# KiCad board poly_kb_wave_right2.kicad_pcb (continued)
## Placement (name value [footprint] x y rotation side) (continued)
kibuzzard-639C34FD  G***  [kibuzzard-639C34FD]  66.97 105.07 180 bottom
kibuzzard-639C35A2  G***  [kibuzzard-639C35A2]  48.05 67.09 180 bottom
kibuzzard-639C35AF  G***  [kibuzzard-639C35AF]  66.84 66.97 180 bottom
kibuzzard-639C35B8  G***  [kibuzzard-639C35B8]  86.27 69.25 180 bottom
kibuzzard-639C35C3  G***  [kibuzzard-639C35C3]  105.19 71.79 180 bottom
kibuzzard-639C35CB  G***  [kibuzzard-639C35CB]  124.37 69.38 180 bottom
kibuzzard-639C35DA  G***  [kibuzzard-639C35DA]  135.93 66.84 180 bottom
kibuzzard-639C35E7  G***  [kibuzzard-639C35E7]  167.3 67.09 180 bottom
kibuzzard-639C35FE  G***  [kibuzzard-639C35FE]  24.04 36.99 180 bottom
kibuzzard-639C36A9  G***  [kibuzzard-639C36A9]  143.8 28.87 180 bottom
kibuzzard-639C36B3  G***  [kibuzzard-639C36B3]  162.85 28.99 180 bottom
kibuzzard-639C39A5  G***  [kibuzzard-639C39A5]  178.41 43.56 163 bottom
kibuzzard-639C294B  G***  [kibuzzard-639C294B]  16 91.8 163 bottom
kibuzzard-639C352E  G***  [kibuzzard-639C352E]  142.79 105.19 180 bottom
kibuzzard-639C353A  G***  [kibuzzard-639C353A]  166.79 105.07 180 bottom
kibuzzard-639C355D  G***  [kibuzzard-639C355D]  86.02 88.56 180 bottom
kibuzzard-639C357F  G***  [kibuzzard-639C357F]  124.25 88.43 180 bottom
kibuzzard-639C358A  G***  [kibuzzard-639C358A]  142.91 86.14 180 bottom
kibuzzard-639C360B  G***  [kibuzzard-639C360B]  47.41 43.47 180 bottom
kibuzzard-639C361C  G***  [kibuzzard-639C361C]  67.09 48.04 180 bottom
kibuzzard-639C362D  G***  [kibuzzard-639C362D]  105.19 52.61 180 bottom
kibuzzard-639C368F  G***  [kibuzzard-639C368F]  105.32 33.56 180 bottom
kibuzzard-639C369E  G***  [kibuzzard-639C369E]  124.5 31.28 180 bottom
kibuzzard-639C2997  G***  [kibuzzard-639C2997]  178.09 64.05 163 bottom
kibuzzard-639C3508  G***  [kibuzzard-639C3508]  86.02 107.48 180 bottom
kibuzzard-639C3514  G***  [kibuzzard-639C3514]  104.81 109.89 180 bottom
kibuzzard-639C3522  G***  [kibuzzard-639C3522]  123.86 107.48 180 bottom
kibuzzard-639C3548  G***  [kibuzzard-639C3548]  47.92 86.14 180 bottom
kibuzzard-639C3550  G***  [kibuzzard-639C3550]  66.97 86.02 180 bottom
kibuzzard-639C3575  G***  [kibuzzard-639C3575]  105.19 90.72 180 bottom
kibuzzard-639C3594  G***  [kibuzzard-639C3594]  166.92 86.14 180 bottom
kibuzzard-639C3625  G***  [kibuzzard-639C3625]  86.02 50.46 180 bottom
kibuzzard-639C3638  G***  [kibuzzard-639C3638]  124.37 50.46 180 bottom
kibuzzard-639C3642  G***  [kibuzzard-639C3642]  135.68 47.92 180 bottom
kibuzzard-639C3653  G***  [kibuzzard-639C3653]  167.04 48.04 180 bottom
kibuzzard-639C3683  G***  [kibuzzard-639C3683]  75.35 24.55 180 bottom
kibuzzard-639C3695  G***  [kibuzzard-639C3695]  53.12 21.63 180 bottom
L1  4.7uH  [MCS0530-4R7MN2]  10.58 103.41 270 bottom
L2  4.7uH  [MCS0530-4R7MN2]  10.45 112.94 270 bottom
LED1  WS2812B-Mini  [WS2812B-Mini-Rev2]  43.85 116.1 0 top
LED2  WS2812B-Mini  [WS2812B-Mini-Rev2]  62.9 116.1 0 top
LED3  WS2812B-Mini  [WS2812B-Mini-Rev2]  81.95 118.49 0 top
LED4  WS2812B-Mini  [WS2812B-Mini-Rev2]  101 120.87 0 top
LED5  WS2812B-Mini  [WS2812B-Mini-Rev2]  120.05 118.49 0 top
LED6  WS2812B-Mini  [WS2812B-Mini-Rev2]  139.1 116.1 0 top
LED7  WS2812B-Mini  [WS2812B-Mini-Rev2]  162.92 116.43 0 top
LED8  WS2812B-Mini  [WS2812B-Mini-Rev2]  43.85 97.05 0 top
LED9  WS2812B-Mini  [WS2812B-Mini-Rev2]  62.9 97.05 0 top
LED10  WS2812B-Mini  [WS2812B-Mini-Rev2]  81.95 99.44 0 top
LED11  WS2812B-Mini  [WS2812B-Mini-Rev2]  101 101.82 0 top
LED12  WS2812B-Mini  [WS2812B-Mini-Rev2]  120.05 99.44 0 top
LED13  WS2812B-Mini  [WS2812B-Mini-Rev2]  139.1 97.05 0 top
LED14  WS2812B-Mini  [WS2812B-Mini-Rev2]  162.92 97.05 0 top
LED15  WS2812B-Mini  [WS2812B-Mini-Rev2]  43.85 78 0 top
LED16  WS2812B-Mini  [WS2812B-Mini-Rev2]  62.9 78 0 top
LED17  WS2812B-Mini  [WS2812B-Mini-Rev2]  81.95 80.39 0 top
LED18  WS2812B-Mini  [WS2812B-Mini-Rev2]  101 82.77 0 top
LED19  WS2812B-Mini  [WS2812B-Mini-Rev2]  120.05 80.39 0 top
LED20  WS2812B-Mini  [WS2812B-Mini-Rev2]  139.1 78 0 top
LED21  WS2812B-Mini  [WS2812B-Mini-Rev2]  162.92 78 0 top
LED22  WS2812B-Mini  [WS2812B-Mini-Rev2]  40.52 53.05 13.5 top
LED23  WS2812B-Mini  [WS2812B-Mini-Rev2]  62.9 58.95 0 top
LED24  WS2812B-Mini  [WS2812B-Mini-Rev2]  81.95 61.34 0 top
LED25  WS2812B-Mini  [WS2812B-Mini-Rev2]  101 63.72 0 top
LED26  WS2812B-Mini  [WS2812B-Mini-Rev2]  120.05 61.34 0 top
LED27  WS2812B-Mini  [WS2812B-Mini-Rev2]  139.1 58.95 0 top
LED28  WS2812B-Mini  [WS2812B-Mini-Rev2]  162.92 58.95 0 top
LED29  WS2812B-Mini  [WS2812B-Mini-Rev2]  16.15 45.76 20 top
LED30  WS2812B-Mini  [WS2812B-Mini-Rev2]  24.26 25.1 20 top
LED31  WS2812B-Mini  [WS2812B-Mini-Rev2]  46.19 31.34 13.5 top
LED32  WS2812B-Mini  [WS2812B-Mini-Rev2]  69.94 35.03 5 top
LED33  WS2812B-Mini  [WS2812B-Mini-Rev2]  101 44.67 0 top
LED34  WS2812B-Mini  [WS2812B-Mini-Rev2]  120.05 42.29 0 top
LED35  WS2812B-Mini  [WS2812B-Mini-Rev2]  139.1 39.9 0 top
LED36  WS2812B-Mini  [WS2812B-Mini-Rev2]  158.15 39.9 0 top
R1  22 0603  [R_0603_1608Metric]  31.03 120.18 90 bottom
R1_1  10k 0402  [R_0402_1005Metric]  51.54 114.9 90 bottom
R1_2  10k 0402  [R_0402_1005Metric]  70.59 114.9 90 bottom
R1_3  10k 0402  [R_0402_1005Metric]  90.72 116.11 90 bottom
R1_4  10k 0402  [R_0402_1005Metric]  108.69 119.66 90 bottom
R1_5  10k 0402  [R_0402_1005Metric]  127.74 117.28 90 bottom
R1_6  10k 0402  [R_0402_1005Metric]  146.79 114.9 90 bottom
R1_7  10k 0402  [R_0402_1005Metric]  170.6 115.23 90 bottom
R1_8  10k 0402  [R_0402_1005Metric]  51.54 95.85 90 bottom
R1_9  10k 0402  [R_0402_1005Metric]  70.59 95.85 90 bottom
R1_10  10k 0402  [R_0402_1005Metric]  89.64 98.23 90 bottom
R1_11  10k 0402  [R_0402_1005Metric]  108.69 100.61 90 bottom
R1_12  10k 0402  [R_0402_1005Metric]  127.74 98.23 90 bottom
R1_13  10k 0402  [R_0402_1005Metric]  146.79 95.85 90 bottom
R1_14  10k 0402  [R_0402_1005Metric]  170.6 95.85 90 bottom
R1_15  10k 0402  [R_0402_1005Metric]  51.54 76.8 90 bottom
R1_16  10k 0402  [R_0402_1005Metric]  70.59 76.8 90 bottom
R1_17  10k 0402  [R_0402_1005Metric]  89.64 79.18 90 bottom
R1_18  10k 0402  [R_0402_1005Metric]  108.69 81.56 90 bottom
R1_19  10k 0402  [R_0402_1005Metric]  127.74 79.18 90 bottom
R1_20  10k 0402  [R_0402_1005Metric]  143.55 67.09 0 bottom
R1_21  10k 0402  [R_0402_1005Metric]  170.6 76.8 90 bottom
R1_22  10k 0402  [R_0402_1005Metric]  48.27 53.67 103.5 bottom
R1_23  10k 0402  [R_0402_1005Metric]  70.59 57.75 90 bottom
R1_24  10k 0402  [R_0402_1005Metric]  89.64 60.13 90 bottom
R1_25  10k 0402  [R_0402_1005Metric]  108.69 62.51 90 bottom
R1_26  10k 0402  [R_0402_1005Metric]  127.74 60.13 90 bottom
R1_27  10k 0402  [R_0402_1005Metric]  146.79 57.75 90 bottom
R1_28  10k 0402  [R_0402_1005Metric]  170.6 57.75 90 bottom
R1_29  10k 0402  [R_0402_1005Metric]  23.78 47.25 110 bottom
R1_30  10k 0402  [R_0402_1005Metric]  31.89 26.59 110 bottom
R1_31  10k 0402  [R_0402_1005Metric]  53.95 31.96 103.5 bottom
R1_32  10k 0402  [R_0402_1005Metric]  77.7 34.5 95 bottom
R1_33  10k 0402  [R_0402_1005Metric]  108.69 43.46 90 bottom
R1_34  10k 0402  [R_0402_1005Metric]  127.74 41.08 90 bottom
R1_35  10k 0402  [R_0402_1005Metric]  146.79 38.7 90 bottom
R1_36  10k 0402  [R_0402_1005Metric]  165.84 38.7 90 bottom
R2  22 0603  [R_0603_1608Metric]  32.63 120.18 90 bottom
R3  5.1K 0402  [R_0402_1005Metric]  16.93 85.38 90 bottom
R4  5.1K 0402  [R_0402_1005Metric]  18.07 85.38 90 bottom
R5  1k 0603  [R_0603_1608Metric]  5.35 82.5 270 bottom
R6  1k 0603  [R_0603_1608Metric]  4.61 102.53 270 top
R7  5.1K 0402  [R_0402_1005Metric]  18.9 121.85 0 top
R8  5.6K 0402  [R_0402_1005Metric]  16.9 108.7 270 bottom
R9  5.1K 0402  [R_0402_1005Metric]  23.6 121.85 180 top
R10  390k 0603  [R_0603_1608Metric]  8.55 99.73 180 top
R11  390k 0603  [R_0603_1608Metric]  11.6 101.26 180 top
R12  150k 0603  [R_0603_1608Metric]  6.9 103.29 0 top
R13  22k 0603  [R_0603_1608Metric]  9.31 95.03 0 bottom
R14  680k 0603  [R_0603_1608Metric]  10.25 111.35 270 top
R15  10K 0402  [R_0402_1005Metric]  17.8 111 90 bottom
R16  1k 0603  [R_0603_1608Metric]  11.34 121.58 270 top
R17  150k 0603  [R_0603_1608Metric]  13.25 111.35 270 top
R18  10M 0603  [R_0603_1608Metric]  5.42 112.81 180 bottom
R19  1k 0603  [R_0603_1608Metric]  21.24 95.14 90 bottom
R20  10K 0402  [R_0402_1005Metric]  32.15 110.7 270 bottom
R21  1K 0402  [R_0402_1005Metric]  33.2 110.7 90 bottom
R22  27 0603  [R_0603_1608Metric]  21.25 110.98 270 bottom
R23  27 0603  [R_0603_1608Metric]  19.75 110.98 270 bottom
R24  2M2 0603  [R_0603_1608Metric]  5.37 114.72 0 bottom
R25  5.1K 0402  [R_0402_1005Metric]  9.61 96.85 0 bottom
R30  390k 0603 1%  [R_0603_1608Metric]  24.8 85.13 270 bottom
SW1  RotaryEncoder_Switch  [PolyJog]  20.24 62.69 290 top
SW2  EVQPUC02K  [Panasonic_EVQPUL_EVQPUC]  179.78 76.41 90 bottom
SW3  EVQPUC02K  [Panasonic_EVQPUL_EVQPUC]  179.78 84.21 90 bottom
SW_K_1  Kailh CPG151101S11-16  [Kailh_socket_MX_Indicators]  43.85 107.21 0 top
SW_K_2  Kailh CPG151101S11-16  [Kailh_socket_MX_Indicators]  62.9 107.21 0 top
SW_K_3  Kailh CPG151101S11-16  [Kailh_socket_MX_Indicators]  81.95 109.6 0 top
SW_K_4  Kailh CPG151101S11-16  [Kailh_socket_MX_Indicators]  101 111.98 0 top
SW_K_5  Kailh CPG151101S11-16  [Kailh_socket_MX_Indicators]  120.05 109.6 0 top
SW_K_6  Kailh CPG151101S11-16  [Kailh_socket_MX_Indicators]  139.1 107.21 0 top
SW_K_7  Kailh CPG151101S11-16  [Kailh_socket_MX_Indicators]  162.92 107.54 0 top
SW_K_8  Kailh CPG151101S11-16  [Kailh_socket_MX_Indicators]  43.85 88.16 0 top
SW_K_9  Kailh CPG151101S11-16  [Kailh_socket_MX_Indicators]  62.9 88.16 0 top
SW_K_10  Kailh CPG151101S11-16  [Kailh_socket_MX_Indicators]  81.95 90.55 0 top
SW_K_11  Kailh CPG151101S11-16  [Kailh_socket_MX_Indicators]  101 92.93 0 top
SW_K_12  Kailh CPG151101S11-16  [Kailh_socket_MX_Indicators]  120.05 90.55 0 top
SW_K_13  Kailh CPG151101S11-16  [Kailh_socket_MX_Indicators]  139.1 88.16 0 top
SW_K_14  Kailh CPG151101S11-16  [Kailh_socket_MX_Indicators]  162.92 88.16 0 top
SW_K_15  Kailh CPG151101S11-16  [Kailh_socket_MX_Indicators]  43.85 69.11 0 top
SW_K_16  Kailh CPG151101S11-16  [Kailh_socket_MX_Indicators]  62.9 69.11 0 top
SW_K_17  Kailh CPG151101S11-16  [Kailh_socket_MX_Indicators]  81.95 71.5 0 top
SW_K_18  Kailh CPG151101S11-16  [Kailh_socket_MX_Indicators]  101 73.88 0 top
SW_K_19  Kailh CPG151101S11-16  [Kailh_socket_MX_Indicators]  120.05 71.5 0 top
SW_K_20  Kailh CPG151101S11-16  [Kailh_socket_MX_Indicators]  139.1 69.11 0 top
SW_K_21  Kailh CPG151101S11-16  [Kailh_socket_MX_Indicators]  162.92 69.11 0 top
SW_K_22  Kailh CPG151101S11-16  [Kailh_socket_MX_Indicators]  42.6 44.41 13.5 top
SW_K_23  Kailh CPG151101S11-16  [Kailh_socket_MX_Indicators]  62.9 50.06 0 top
SW_K_24  Kailh CPG151101S11-16  [Kailh_socket_MX_Indicators]  81.95 52.45 0 top
SW_K_25  Kailh CPG151101S11-16  [Kailh_socket_MX_Indicators]  101 54.83 0 top
SW_K_26  Kailh CPG151101S11-16  [Kailh_socket_MX_Indicators]  120.05 52.45 0 top
SW_K_27  Kailh CPG151101S11-16  [Kailh_socket_MX_Indicators]  139.1 50.06 0 top
SW_K_28  Kailh CPG151101S11-16  [Kailh_socket_MX_Indicators]  162.92 50.06 0 top
SW_K_29  Kailh CPG151101S11-16  [Kailh_socket_MX_Indicators]  19.19 37.4 20 top
SW_K_30  Kailh CPG151101S11-16  [Kailh_socket_MX_Indicators]  27.3 16.75 20 top
SW_K_31  Kailh CPG151101S11-16  [Kailh_socket_MX_Indicators]  48.27 22.7 13.5 top
SW_K_32  Kailh CPG151101S11-16  [Kailh_socket_MX_Indicators]  70.71 26.18 5 top
SW_K_33  Kailh CPG151101S11-16  [Kailh_socket_MX_Indicators]  101 35.78 0 top
SW_K_34  Kailh CPG151101S11-16  [Kailh_socket_MX_Indicators]  120.05 33.4 0 top
SW_K_35  Kailh CPG151101S11-16  [Kailh_socket_MX_Indicators]  139.1 31.01 0 top
SW_K_36  Kailh CPG151101S11-16  [Kailh_socket_MX_Indicators]  158.15 31.01 0 top
TP1  USB_D-  [TestPoint_Pad_D1.5mm]  18.94 113.78 180 bottom
TP14  USB_D+  [TestPoint_Pad_D1.5mm]  23.15 113.78 180 bottom
U1  TD6811  [TSOT-23-5]  10.58 115.1 180 top
U2  TD6811  [TSOT-23-5]  10.58 104.18 180 top
U3  MT9700  [SOT-23-5]  7.28 94.91 90 top
U4  74HC595BQ  [Nexperia 74HC595BQ DHVQFN16]  150.11 103.21 0 bottom
U5  74HC595BQ  [Nexperia 74HC595BQ DHVQFN16]  150.16 86.95 0 bottom
U6  74HC595BQ  [Nexperia 74HC595BQ DHVQFN16]  150.1 66.2 0 bottom
U7  74HC595BQ  [Nexperia 74HC595BQ DHVQFN16]  101.9 22.96 270 bottom
U8  74HC595BQ  [Nexperia 74HC595BQ DHVQFN16]  90.6 23 270 bottom
U9  W25Q64JVXGIQ  [SON80P400X400X50-9N]  28 111.45 135 bottom
U10  RP2040  [RP2040-QFN-56]  21.75 104.28 180 bottom
U11  TPD4E05U06DQAR  [USON-10]  21.04 116.11 90 bottom
U12  SN74LVC1G126DBVR  [SOT-353_SC-70-5]  69.38 121.32 180 bottom
U13  SN74LVC1G126DBVR  [SOT-353_SC-70-5]  56.55 121.32 180 bottom
U14  SN74LVC1G126DBVR  [SOT-353_SC-70-5]  50.33 121.32 180 bottom
U15  SN74LVC1G126DBVR  [SOT-353_SC-70-5]  37.38 121.32 180 bottom
U16  SN74LVC1G126DBVR  [SOT-353_SC-70-5]  75.6 124.24 180 bottom
U17  SN74LVC1G126DBVR  [SOT-353_SC-70-5]  72.3 124.24 180 bottom
U18  SN74LVC1G126DBVR  [SOT-353_SC-70-5]  109.64 125.26 180 bottom
U19  SN74LVC1G126DBVR  [SOT-353_SC-70-5]  90.46 119.29 0 bottom
U20  SN74LVC1G126DBVR  [SOT-353_SC-70-5]  126.53 123.73 180 bottom
U21  SN74LVC1G126DBVR  [SOT-353_SC-70-5]  113.7 123.73 180 bottom
U22  SN74LVC1G126DBVR  [SOT-353_SC-70-5]  145.45 121.7 180 bottom
U23  SN74LVC1G126DBVR  [SOT-353_SC-70-5]  132.75 121.7 180 bottom
U24  SN74LVC1G126DBVR  [SOT-353_SC-70-5]  153.33 121.32 180 bottom
U25  SN74LVC1G126DBVR  [SOT-353_SC-70-5]  156.63 121.32 180 bottom
USB1  TYPE-C-31-M-12  [HRO-TYPE-C-31-M-12-Assembly]  21 127.14 0 bottom
USB2  TYPE-C-31-M-12  [HRO-TYPE-C-31-M-12-Assembly]  -0.95 72.05 90 bottom
Y1  TAXM12M4RFBCCT2T  [Crystal_SMD_3225-4Pin_3.2x2.5mm]  24.2 94.91 0 bottom

## Library data of the parts
C1_1-C1_36 = -: Description: Unpolarized capacitor, small symbol; MPN: C99227
C2 C3_1-C3_36 C5_1-C5_36 C6_1-C6_36 C24 C25 C30-C32 = -: Description: Unpolarized capacitor, small symbol; MPN: C52923
C2_1-C2_36 = -: Description: Unpolarized capacitor, small symbol; MPN: C23630
C3 C8 = -: Description: Unpolarized capacitor, small symbol; MPN: C1557
C4 C6 C10 C12-C14 C26 = -: Description: Unpolarized capacitor, small symbol; MPN: C15850
C4_1-C4_36 C33 C34 = -: Description: Polarized capacitor, small symbol; MPN: C129569
C5 C11 = -: Description: Unpolarized capacitor, small symbol; MPN: C1653
C9 C15-C23 = -: Description: Unpolarized capacitor, small symbol; MPN: C1525
D1 = -: Description: Light emitting diode, small symbol; MPN: C84256
D1_1-D1_36 D12 = -: Description: Diode, small symbol; MPN: C2128
D2 = -: Description: 200W unidirectional Transil Transient Voltage Suppressor, 6Vrwm, SMF; MPN: C502546
D5 = -: Description: Light emitting diode, small symbol; MPN: C2297
D6 = -: Description: Light emitting diode, small symbol; MPN: C2296
DBG1 = -: Description: Generic connector, single row, 01x03, script generated (kicad-library-utils/schlib/autogen/connector/)
DBG3 = -: Description: Generic connector, single row, 01x10, script generated (kicad-library-utils/schlib/autogen/connector/)
F1 = -: Description: Fuse; MPN: C207081
FB1 FB2 = -: Description: Ferrite bead, small symbol; MPN: C1017
H1-H9 = -: Description: Mounting Hole with connection
J1-J36 = -: Description: Generic connector, single row, 01x14, script generated (kicad-library-utils/schlib/autogen/connector/); MPN: C324724
J37 = -: Description: Generic connector, single row, 01x12, script generated (kicad-library-utils/schlib/autogen/connector/); MPN: C424659
J38 = -: Description: Generic connector, single row, 01x05, script generated (kicad-library-utils/schlib/autogen/connector/)
J39 = -: Description: Generic connector, single row, 01x30, script generated (kicad-library-utils/schlib/autogen/connector/); MPN: C506793
JP1 = -: Description: 3-pole Solder Jumper, pins 1+2 closed/bridged
L1 L2 = -: Description: Inductor; MPN: C2836880
LED1-LED36 = -: Description: RGB LED with integrated controller; MPN: C527089
R1 R2 = -: Description: Resistor, small symbol; MPN: C23345
R1_1-R1_36 = -: Description: Resistor, small symbol; MPN: C25744
R3 R4 R7 R9 R25 = -: Description: Resistor, small symbol; MPN: C25905
R5 R6 R16 R19 = -: Description: Resistor, small symbol; MPN: C21190
R8 = -: Description: Resistor; MPN: C25908
R10 R11 R30 = -: Description: Resistor, small symbol; MPN: C23150
R12 R17 = -: Description: Resistor, small symbol; MPN: C22807
R13 = -: Description: Resistor, small symbol; MPN: C31850
R14 = -: Description: Resistor, small symbol; MPN: C25822
R15 R20 = -: Description: Resistor; MPN: C25744
R18 = -: Description: Resistor, small symbol; MPN: C7250
R21 = -: Description: Resistor; MPN: C11702
R22 R23 = -: Description: Resistor, small symbol; MPN: C25190
R24 = -: Description: Resistor, small symbol; MPN: C22938
SW1 = -: Description: Rotary encoder, dual channel, incremental quadrate outputs, with switch
SW2 SW3 = -: Description: Push button switch, generic, two pins; MPN: C79174
SW_K_1-SW_K_36 = -: Description: Push button switch, generic, two pins; Etc: C5156480
TP1 TP14 = -: Description: test point (alternative flag-style design)
U1 U2 = -: MPN: C189486
U3 = -: MPN: C89855
U4-U8 = -: Description: 8-bit serial in/out Shift Register 3-State Outputs; MPN: C3303719
U9 = -: Description: 64M-bit Serial Flash Memory with uniform 4KB sectors and Dual/Quad SPI; MPN: C2940195
U10 = -: MPN: C2040
U11 = -: MPN: C2836386
U12-U25 = -: Description: 1-Bit Unidirectional Voltage-Level Translator, SC-70; MPN: C151890
USB1 USB2 = -: MPN: C165948
Y1 = -: Description: Four pin crystal, GND on pins 2 and 4; MPN: C133337

## Footprints (pads in the part's own frame, mm; a bottom-side part is the same pattern mirrored in y, then rotated)
C_0402_1005Metric
  rrect 0.56x0.62 smd: 1(-0.48,0) 2(0.48,0)
C_0603_1608Metric
  rrect 0.9x0.95 smd: 1(-0.775,0) 2(0.775,0)
C_0805_2012Metric
  rrect 1x1.45 smd: 1(-0.95,0) 2(0.95,0)
CP_EIA-3216-18_Kemet-A
  rrect 1.4x1.35 smd: 1(-1.35,0) 2(1.35,0)
Crystal_SMD_3225-4Pin_3.2x2.5mm
  rect 1.4x1.2 smd: 1(-1.1,-0.85) 2(1.1,-0.85) 3(1.1,0.85) 4(-1.1,0.85)
D_SOD-323Ext
  rect 0.8x0.6 smd: 1(-1.05,0) 2(1.05,0)
D_SOD-523
  rect 0.6x0.7 smd: 1(-0.7,0) 2(0.7,0)
FH34SRJ12S05SH50-Rev2
  rect 0.3x0.8 smd: 1(-2.75,1.525) 2(-2.25,1.525) 3(-1.75,1.525) 4(-1.25,1.525) 5(-0.75,1.525) 6(-0.25,1.525) 7(0.25,1.525) 8(0.75,1.525) 9(1.25,1.525) 10(1.75,1.525) 11(2.25,1.525) 12(2.75,1.525)
  rect 0.4x0.8 smd: MP1(-3.75,-0.975) MP2(3.75,-0.975)
FH34SRJ14S05SH50-Rev2
  rect 0.3x0.8 smd: 1(-3.25,1.525) 2(-2.75,1.525) 3(-2.25,1.525) 4(-1.75,1.525) 5(-1.25,1.525) 6(-0.75,1.525) 7(-0.25,1.525) 8(0.25,1.525) 9(0.75,1.525) 10(1.25,1.525) 11(1.75,1.525) 12(2.25,1.525) 13(2.75,1.525) 14(3.25,1.525)
  rect 0.4x0.8 smd: MP1(4.25,-0.975) MP2(-4.25,-0.975)
FH34SRJ14S05SH50-Rev2#2
  rect 0.3x0.8 smd: 1(-3.25,1.525) 2(-2.75,1.525) 3(-2.25,1.525) 4(-1.75,1.525) 5(-1.25,1.525) 6(-0.75,1.525) 7(-0.25,1.525) 8(0.25,1.525) 9(0.75,1.525) 10(1.25,1.525) 11(1.75,1.525) 12(2.25,1.525) 13(2.75,1.525) 14(3.25,1.525)
  rect 0.4x0.8 smd: MP1(4.25,-0.975) MP2(-4.25,-0.975)
FH34SRJ14S05SH50-Rev2#3
  rect 0.3x0.8 smd: 1(-3.25,1.525) 2(-2.75,1.525) 3(-2.25,1.525) 4(-1.75,1.525) 5(-1.25,1.525) 6(-0.75,1.525) 7(-0.25,1.525) 8(0.25,1.525) 9(0.75,1.525) 10(1.25,1.525) 11(1.75,1.525) 12(2.25,1.525) 13(2.75,1.525) 14(3.25,1.525)
  rect 0.4x0.8 smd: MP1(4.25,-0.975) MP2(-4.25,-0.975)
Fuse_2920_7451Metric
  rrect 1.925x5.45 smd: 1(-3.388,0) 2(3.388,0)
Hirose_FH12-30S-0.5SH_1x30-1MP_P0.50mm_Horizontal
  rect 0.3x1.3 smd: 1(-7.25,1.85) 2(-6.75,1.85) 3(-6.25,1.85) 4(-5.75,1.85) 5(-5.25,1.85) 6(-4.75,1.85) 7(-4.25,1.85) 8(-3.75,1.85) 9(-3.25,1.85) 10(-2.75,1.85) 11(-2.25,1.85) 12(-1.75,1.85) 13(-1.25,1.85) 14(-0.75,1.85) 15(-0.25,1.85) 16(0.25,1.85) 17(0.75,1.85) 18(1.25,1.85) 19(1.75,1.85) 20(2.25,1.85) 21(2.75,1.85) 22(3.25,1.85) 23(3.75,1.85) 24(4.25,1.85) 25(4.75,1.85) 26(5.25,1.85) 27(5.75,1.85) 28(6.25,1.85) 29(6.75,1.85) 30(7.25,1.85)
  rect 1.8x2.2 smd: MP(-9.15,-1.4) MP(9.15,-1.4)
HRO-TYPE-C-31-M-12-Assembly
  round 0.65 hole 0.65 unplated: (-2.89,6.25) (2.89,6.25)
  rect 0.6x1.45 smd: 1(-3.225,7.695) 2(-2.45,7.695) 11(2.45,7.695) 12(3.225,7.695)
  rect 0.3x1.45 smd: 3(-1.75,7.695) 4(-1.25,7.695) 5(-0.75,7.695) 6(-0.25,7.695) 7(0.25,7.695) 8(0.75,7.695) 9(1.25,7.695) 10(1.75,7.695)
  oval 1x1.6 hole 0.6x1.2: 13(-4.32,2.6) 13(4.32,2.6)
  oval 1x2.1 hole 0.6x1.7: 13(-4.32,6.78) 13(4.32,6.78)
Kailh_socket_MX_Indicators
  round 1.702 hole 1.702 unplated: (-5.08,0) (5.08,0)
  round 3 hole 3 unplated: (-3.81,2.54) (2.54,5.08)
  round 3.988 hole 3.988 unplated: (0,0)
  rect 2.55x2.5 smd far side: 1(6.29,5.08) 2(-7.56,2.54)
L_0805_2012Metric
  rrect 0.875x1.2 smd: 1(-1.062,0) 2(1.062,0)
LED_0805_2012Metric
  rrect 0.975x1.4 smd: 1(-0.938,0) 2(0.938,0)
MCS0530-4R7MN2
  rect 1.4x2.5 smd: 1(-2.4,0) 2(2.4,0)
MountingHole_3mm_Pad_Via
  round 0.8 hole 0.5: 1(-2.25,0) 1(-1.591,-1.591) 1(-1.591,1.591) 1(0,-2.25) 1(0,2.25) 1(1.591,-1.591) 1(1.591,1.591) 1(2.25,0)
  round 6 hole 3: 1(0,0)
Nexperia 74HC595BQ DHVQFN16
  rect 0.254x0.5 smd: 1(-0.25,1.562) 8(-0.25,-1.562) 9(0.25,-1.562) 16(0.25,1.562)
  rect 0.5x0.254 smd: 2(-1.062,1.25) 3(-1.062,0.75) 4(-1.062,0.25) 5(-1.062,-0.25) 6(-1.062,-0.75) 7(-1.062,-1.25) 10(1.062,-1.25) 11(1.062,-0.75) 12(1.062,-0.25) 13(1.062,0.25) 14(1.062,0.75) 15(1.062,1.25)
  rect 1x2 smd: 17(0,0)
Panasonic_EVQPUL_EVQPUC
  round 0.75 hole 0.75 unplated: (0,-1.375) (0,1.375)
  rect 1.55x1 smd: 1(-2.625,0.85) 1(2.625,0.85) 2(-2.625,-0.85) 2(2.625,-0.85)
PinHeader_1x03_P2.54mm_Vertical
  rect 1.7x1.7 hole 1: 1(0,0)
  oval 1.7x1.7 hole 1: 2(0,-2.54) 3(0,-5.08)
PinHeader_1x05_P2.54mm_Vertical
  rect 1.7x1.7 hole 1: 1(0,0)
  oval 1.7x1.7 hole 1: 2(0,-2.54) 3(0,-5.08) 4(0,-7.62) 5(0,-10.16)
PinHeader_1x10_P2.54mm_Vertical
  rect 1.7x1.7 hole 1: 1(0,0)
  oval 1.7x1.7 hole 1: 2(0,-2.54) 3(0,-5.08) 4(0,-7.62) 5(0,-10.16) 6(0,-12.7) 7(0,-15.24) 8(0,-17.78) 9(0,-20.32) 10(0,-22.86)
PolyJog
  oval 2.4x3.6 hole 1.5x2.8 unplated: (-6.725,-2.188) (4.475,-2.188)
  round 1.6 hole 1.6 unplated: (-6.21,5.85)
  round 2 hole 1: A(-3.67,5.85) A(3.95,5.85) B(1.41,5.85) C(-1.13,5.85) S1(-3.658,-9.703) S2(1.342,-9.703)
  round 1.524 hole 0.762: S1(6.95,7.5)
  oval 1.524x1.524 hole 0.762: S2(6.95,5.5)
R_0402_1005Metric
  rrect 0.54x0.64 smd: 1(-0.51,0) 2(0.51,0)
R_0603_1608Metric
  rrect 0.8x0.95 smd: 1(-0.825,0) 2(0.825,0)
RP2040-QFN-56
  rrect 1.084x1.084 smd: (-0.637,-0.637) (-0.637,0.637) (0.637,-0.637) (0.637,0.637)
  rrect 0.875x0.2 smd: 1(-3.438,2.6) 2(-3.438,2.2) 3(-3.438,1.8) 4(-3.438,1.4) 5(-3.438,1) 6(-3.438,0.6) 7(-3.438,0.2) 8(-3.438,-0.2) 9(-3.438,-0.6) 10(-3.438,-1) 11(-3.438,-1.4) 12(-3.438,-1.8) 13(-3.438,-2.2) 14(-3.438,-2.6) 29(3.438,-2.6) 30(3.438,-2.2) 31(3.438,-1.8) 32(3.438,-1.4) 33(3.438,-1) 34(3.438,-0.6) 35(3.438,-0.2) 36(3.438,0.2) 37(3.438,0.6) 38(3.438,1) 39(3.438,1.4) 40(3.438,1.8) 41(3.438,2.2) 42(3.438,2.6)
  rrect 0.2x0.875 smd: 15(-2.6,-3.438) 16(-2.2,-3.438) 17(-1.8,-3.438) 18(-1.4,-3.438) 19(-1,-3.438) 20(-0.6,-3.438) 21(-0.2,-3.438) 22(0.2,-3.438) 23(0.6,-3.438) 24(1,-3.438) 25(1.4,-3.438) 26(1.8,-3.438) 27(2.2,-3.438) 28(2.6,-3.438) 43(2.6,3.438) 44(2.2,3.438) 45(1.8,3.438) 46(1.4,3.438) 47(1,3.438) 48(0.6,3.438) 49(0.2,3.438) 50(-0.2,3.438) 51(-0.6,3.438) 52(-1,3.438) 53(-1.4,3.438) 54(-1.8,3.438) 55(-2.2,3.438) 56(-2.6,3.438)
  round 0.6 hole 0.35: 57(-1.275,-1.275) 57(-1.275,0) 57(-1.275,1.275) 57(0,-1.275) 57(0,0) 57(0,1.275) 57(1.275,-1.275) 57(1.275,0) 57(1.275,1.275)
  rrect 3.2x3.2 smd: 57(0,0)
SolderJumper-3_P1.3mm_Bridged12_RoundedPad1.0x1.5mm
  custom 1.05x1.5 smd: 1(-1.3,0) 3(1.3,0)
  rect 1x1.5 smd: 2(0,0)
SON80P400X400X50-9N
  rect 0.85x0.35 smd: 1(-1.95,1.2) 2(-1.95,0.4) 3(-1.95,-0.4) 4(-1.95,-1.2) 5(1.95,-1.2) 6(1.95,-0.4) 7(1.95,0.4) 8(1.95,1.2)
  rect 2.4x3.1 smd: 9(0,0)
SOT-23-5
  rrect 1.325x0.6 smd: 1(-1.137,0.95) 2(-1.137,0) 3(-1.137,-0.95) 4(1.137,-0.95) 5(1.137,0.95)
SOT-353_SC-70-5
  rect 0.65x0.4 smd: 1(-0.95,0.65) 2(-0.95,0) 3(-0.95,-0.65) 4(0.95,-0.65) 5(0.95,0.65)
TestPoint_Pad_D1.5mm
  round 1.5 smd: 1(0,0)
TSOT-23-5
  rrect 1.325x0.6 smd: 1(-1.137,0.95) 2(-1.137,0) 3(-1.137,-0.95) 4(1.137,-0.95) 5(1.137,0.95)
USON-10
  rect 0.55x0.3 smd: 1(-0.381,1.001) 2(-0.381,0.501) 4(-0.381,-0.499) 5(-0.381,-0.999) 6(0.389,-0.999) 7(0.389,-0.499) 9(0.389,0.501) 10(0.389,1.001)
  rect 0.55x0.4 smd: 3(-0.381,0.001) 8(0.389,0.001)
WS2812B-Mini-Rev2
  rect 1.5x0.951 smd: 1(-1.64,0.89)
  rect 1.5x0.95 smd: 2(-1.64,-0.89) 3(1.64,-0.89) 4(1.64,0.89)

## Nets
+1V1: C15.1 C16.1 C25.1 U10.23 U10.45 U10.50
/K_1/VCC: C1_2.1 J2.14
/K_2/VCC: C1_3.1 J3.14
/K_3/VCC: C1_4.1 J4.14
/K_4/VCC: C1_5.1 J5.14
/K_5/VCC: C1_6.1 J6.14
/K_A/VCC: C1_16.1 J16.14
/K_B1/VCC: C1_30.1 J30.14
/K_B2/VCC: C1_31.1 J31.14
/K_B3/VCC: C1_32.1 J32.14
/K_B4/VCC: C1_33.1 J33.14
/K_B5/VCC: C1_34.1 J34.14
/K_B6/VCC: C1_35.1 J35.14
/K_B7/VCC: C1_36.1 J36.14
/K_B8/VCC: C1_29.1 J29.14
/K_B/VCC: C1_27.1 J27.14
/K_C/VCC: C1_25.1 J25.14
/K_D/VCC: C1_18.1 J18.14
/K_E/VCC: C1_11.1 J11.14
/K_F/VCC: C1_19.1 J19.14
/K_G/VCC: C1_20.1 J20.14
/K_L1/VCC: C1_1.1 J1.14
/K_L2/VCC: C1_8.1 J8.14
/K_L3/VCC: C1_15.1 J15.14
/K_L4/VCC: C1_22.1 J22.14
/K_L6/VCC: C1_7.1 J7.14
/K_L7/VCC: C1_14.1 J14.14
/K_L8/VCC: C1_21.1 J21.14
